# Altium PCB wrist_band_v1.0.PcbDoc (part 1 of 2)
Units mm, origin at the board's own origin, x right, y up, seen from the top; angles counter-clockwise.
Board outline 34.18 x 30.85 mm, 6 copper layers (Top Layer, Layer 1, Layer 3, Layer 4, Layer 2, Bottom Layer), stack 1.546 mm thick; 85 components, 60 nets, 319 pads, 116 vias.
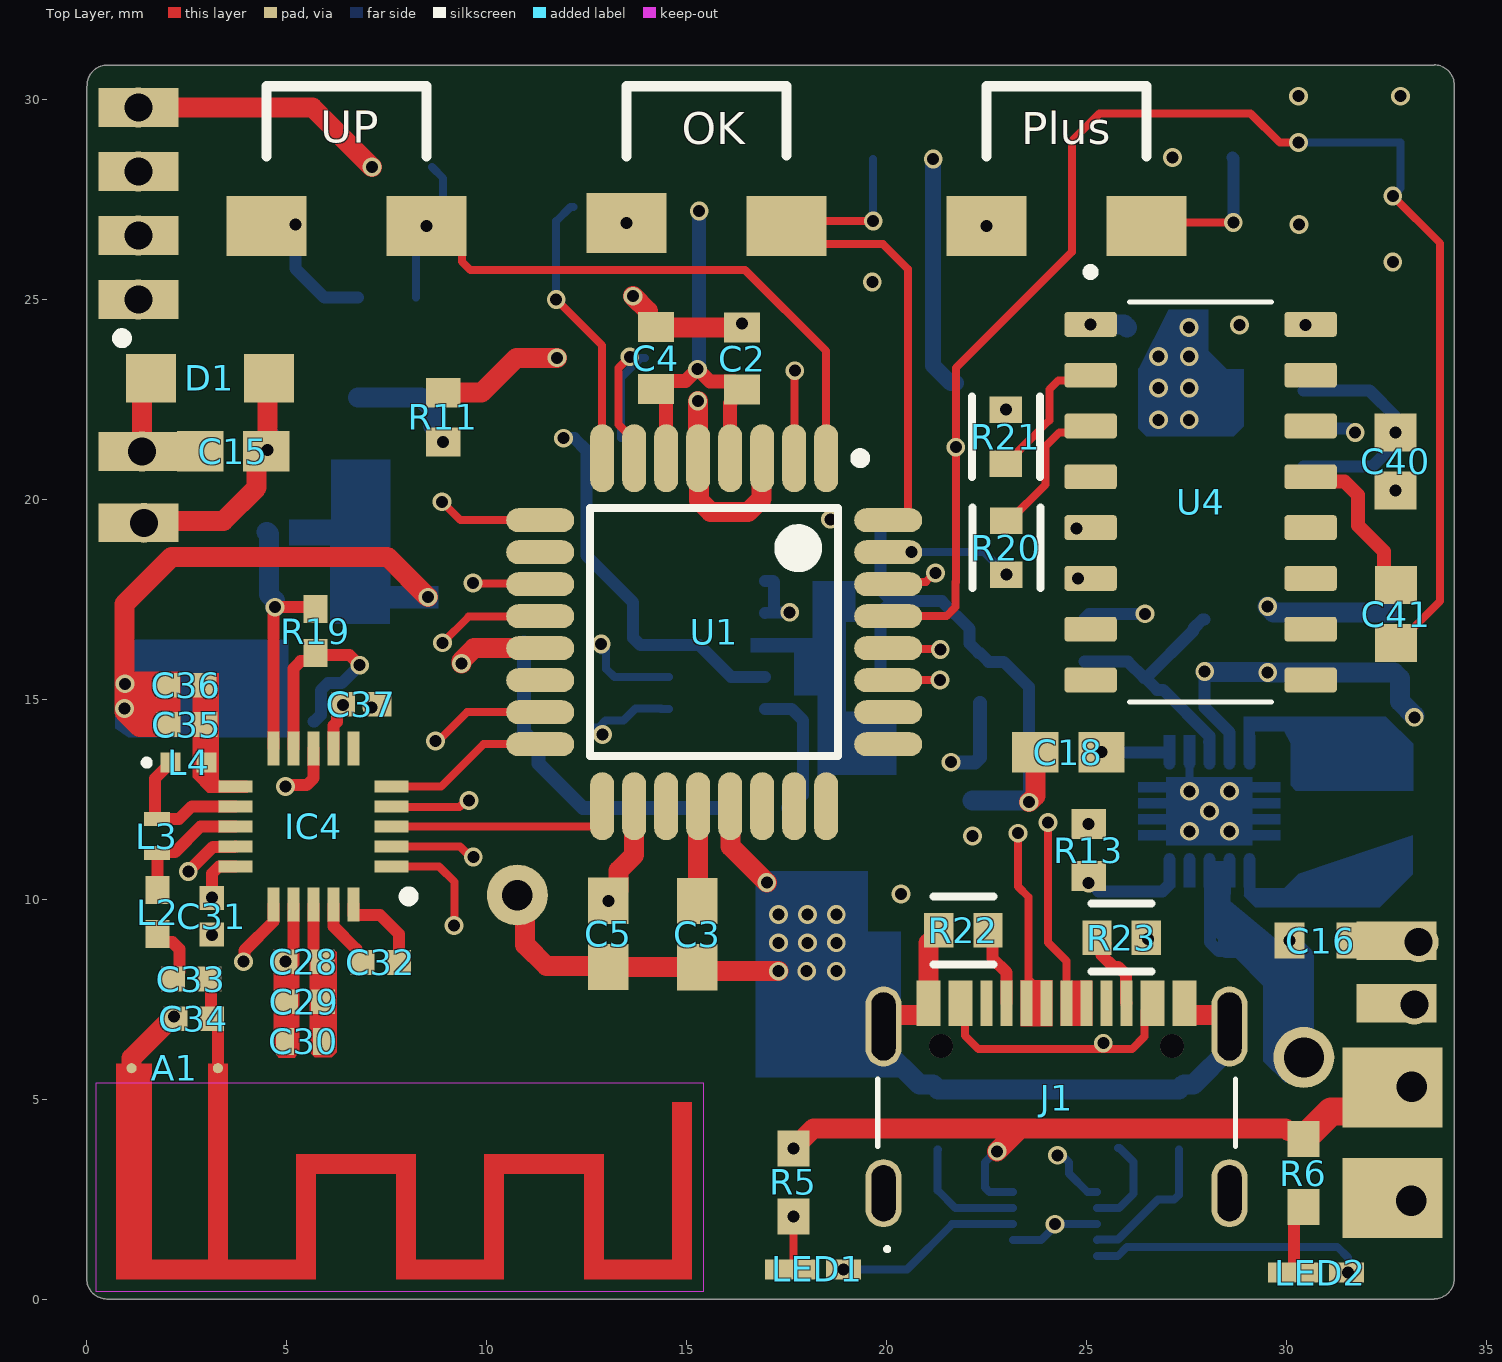
[diagram p0: Top Layer view]
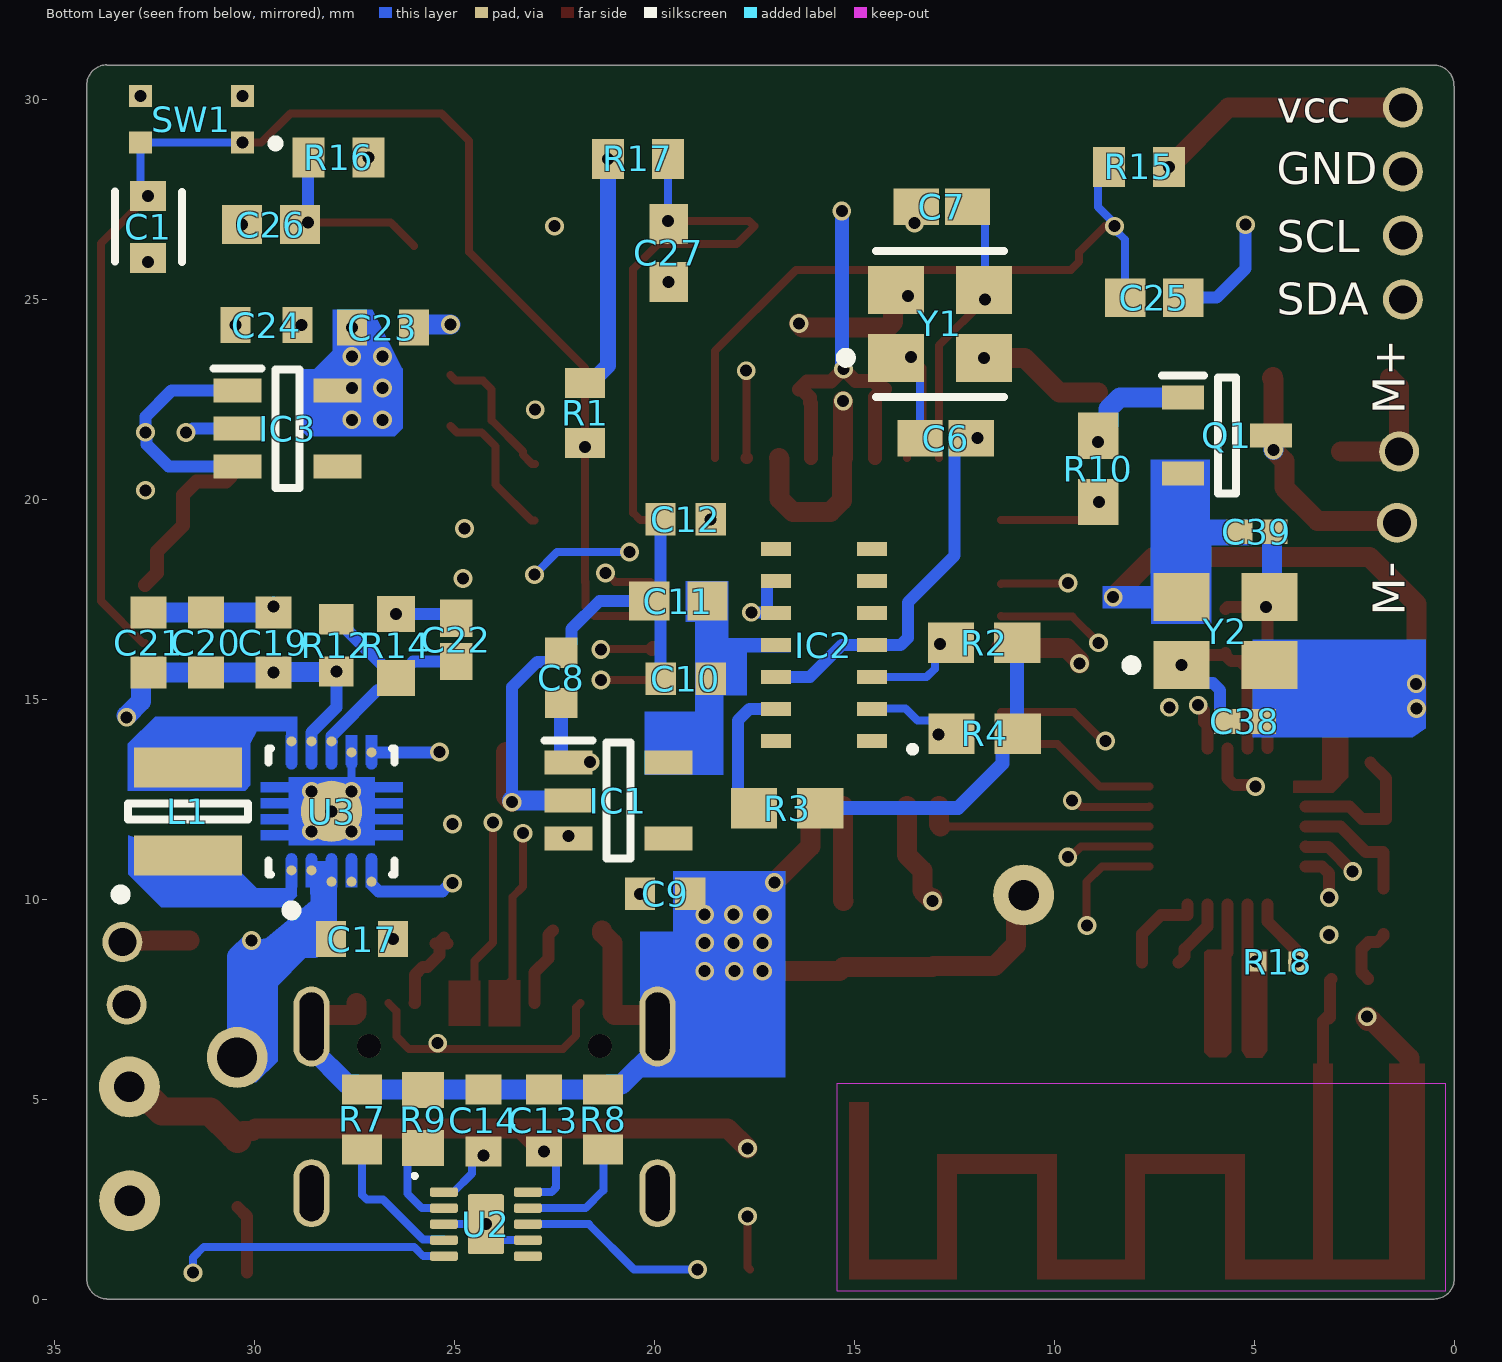
[diagram p1: Bottom Layer view, seen from below]
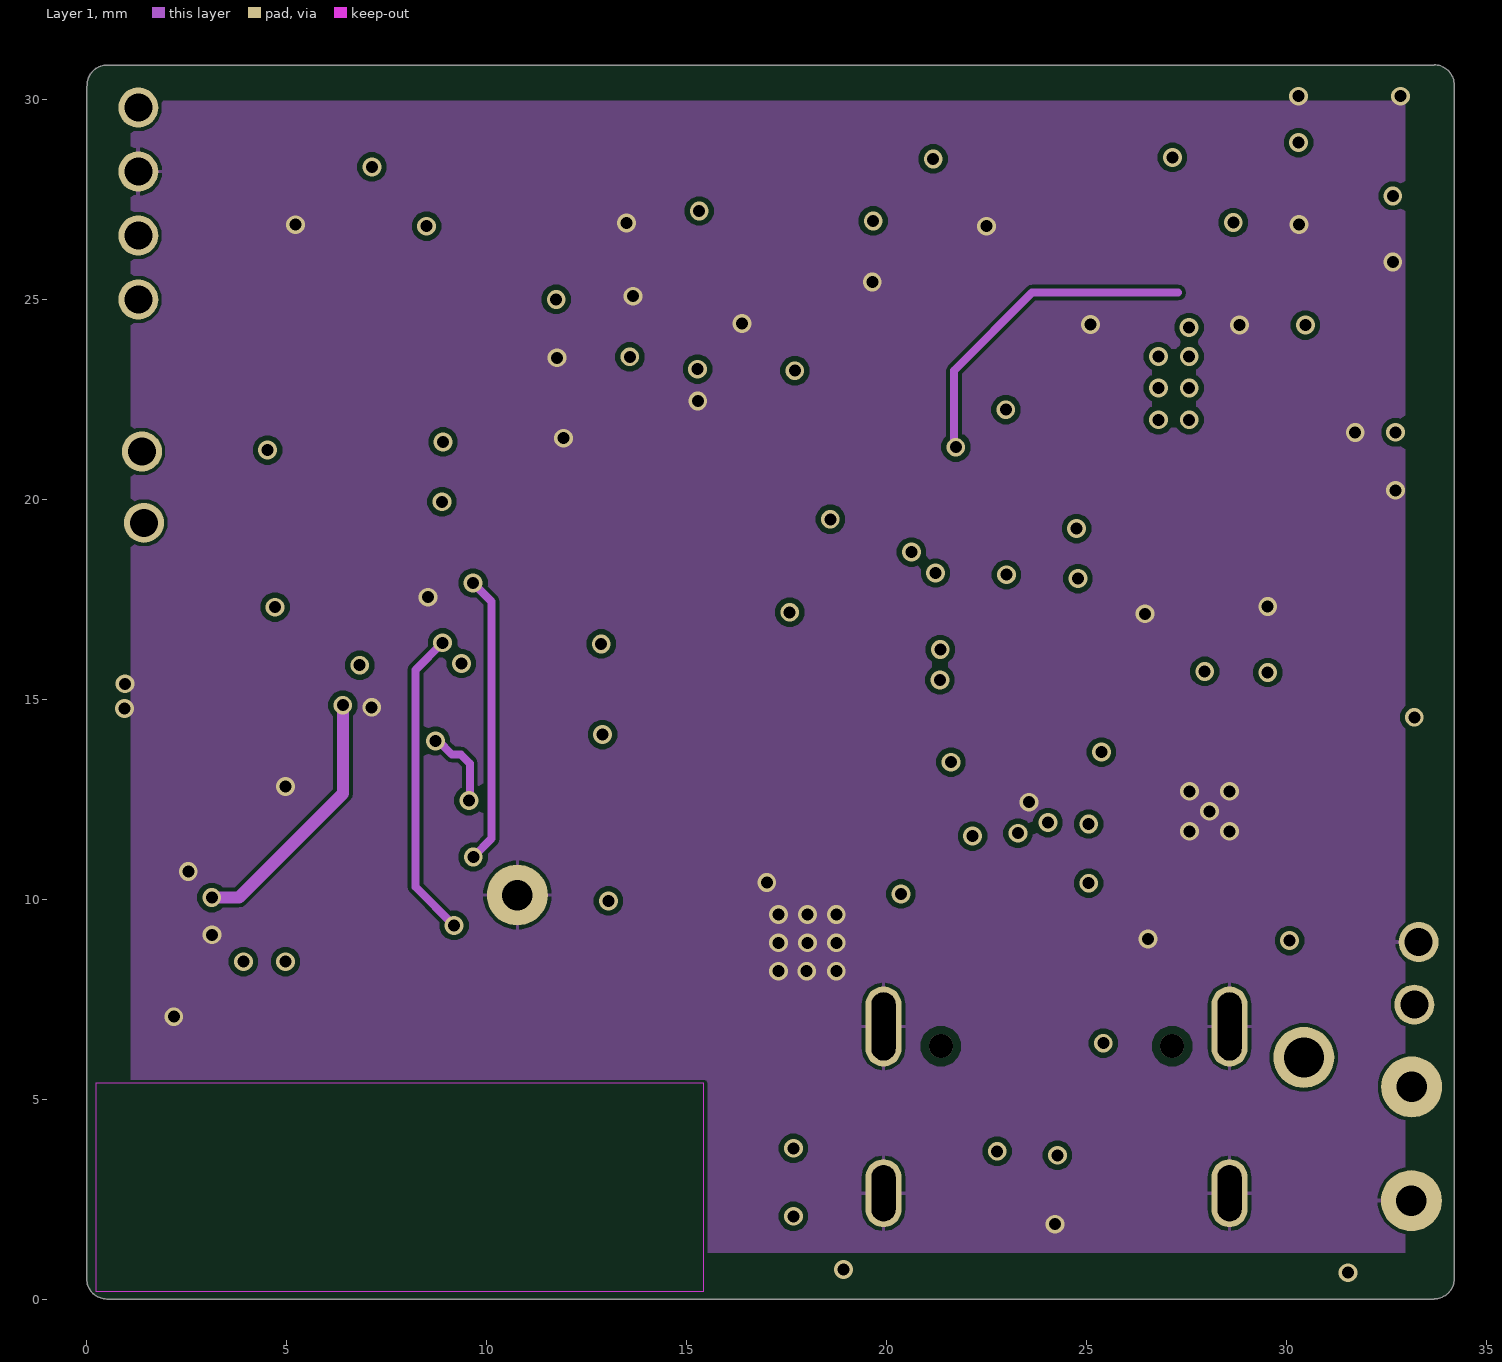
[diagram p2: Layer 1]
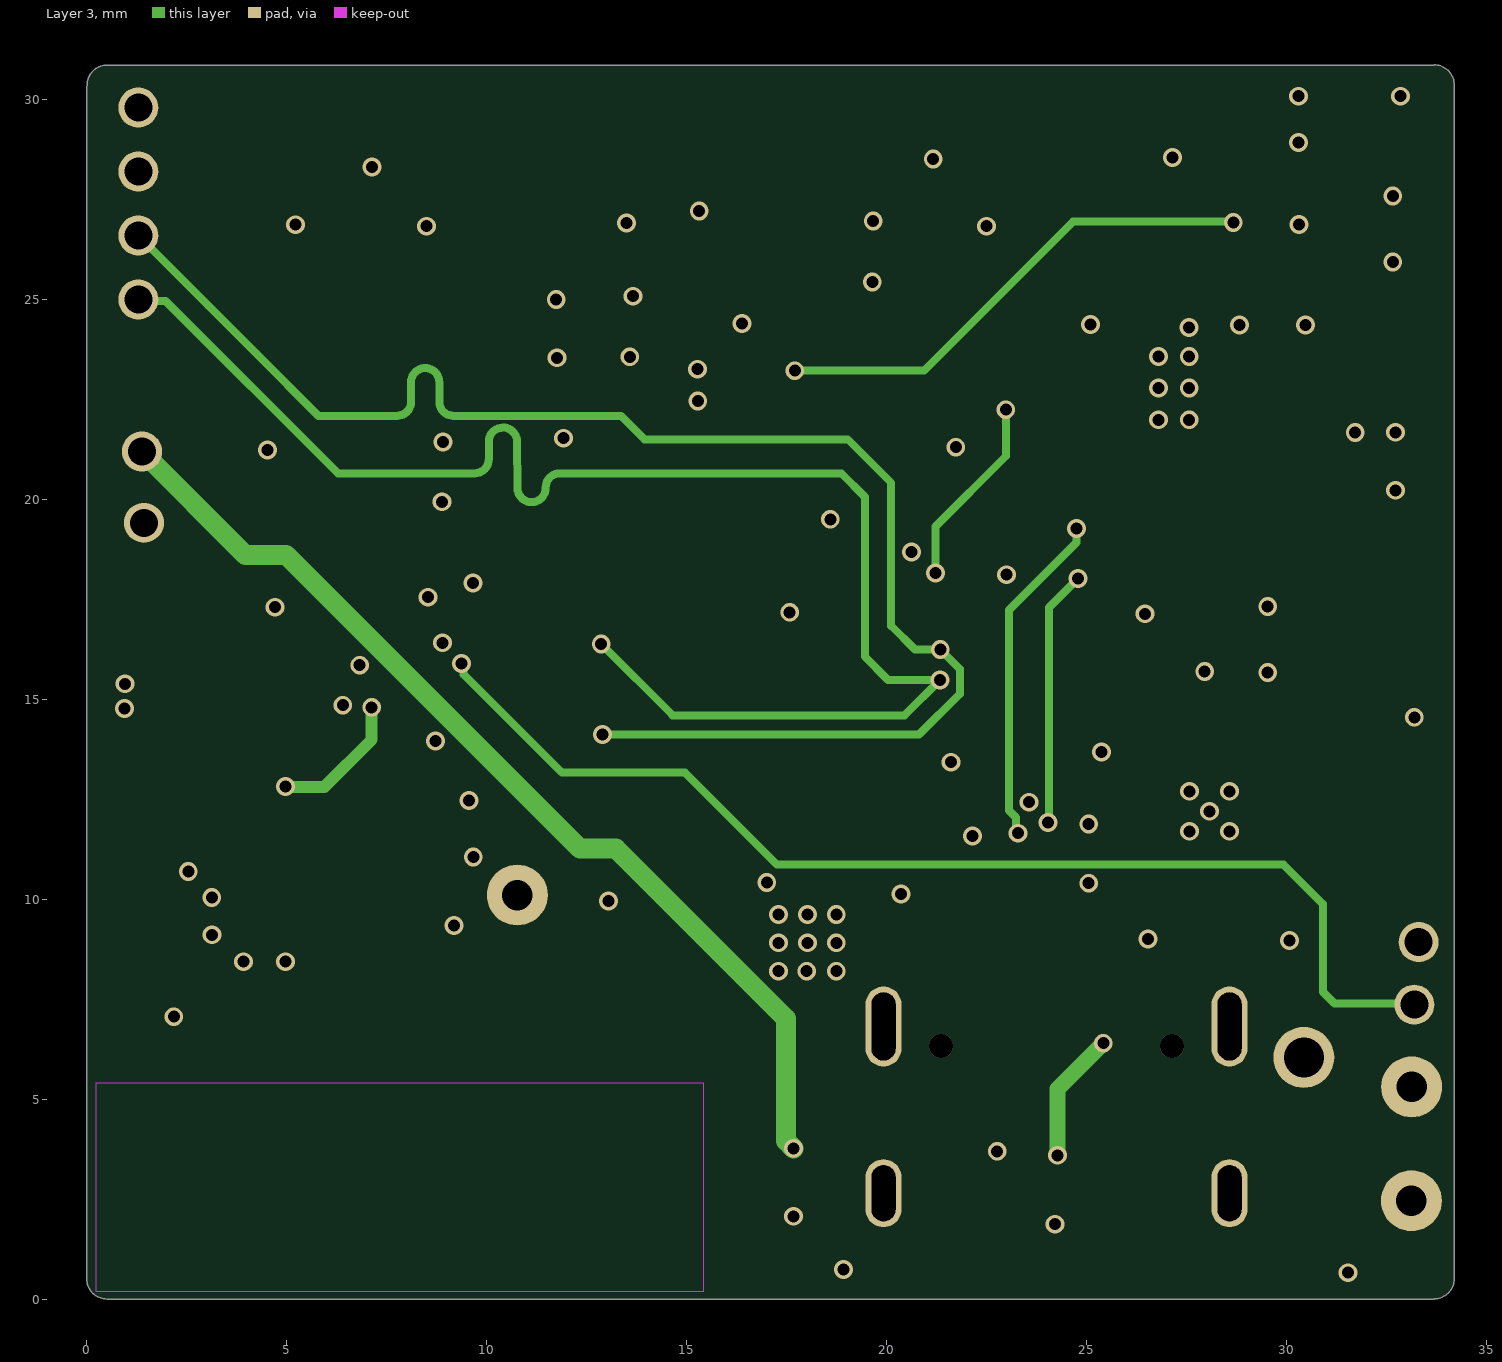
[diagram p3: Layer 3]
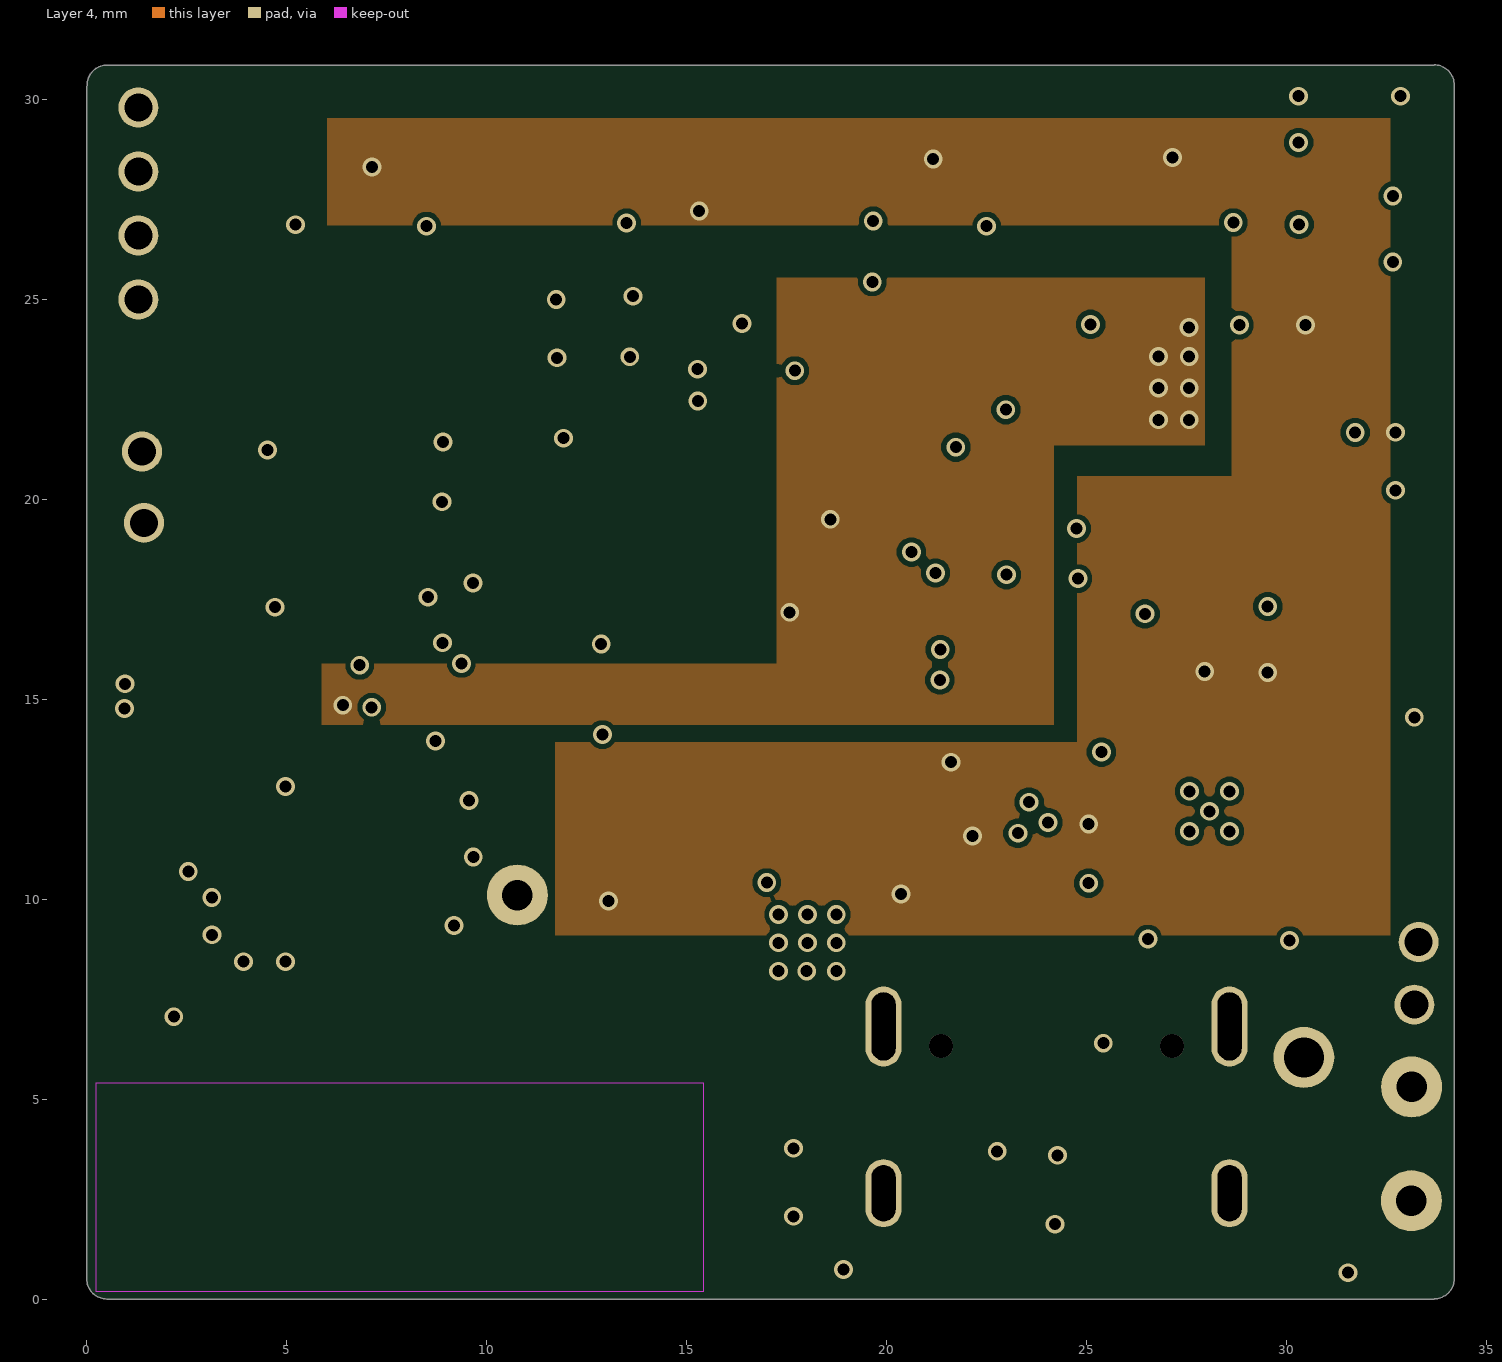
[diagram p4: Layer 4]
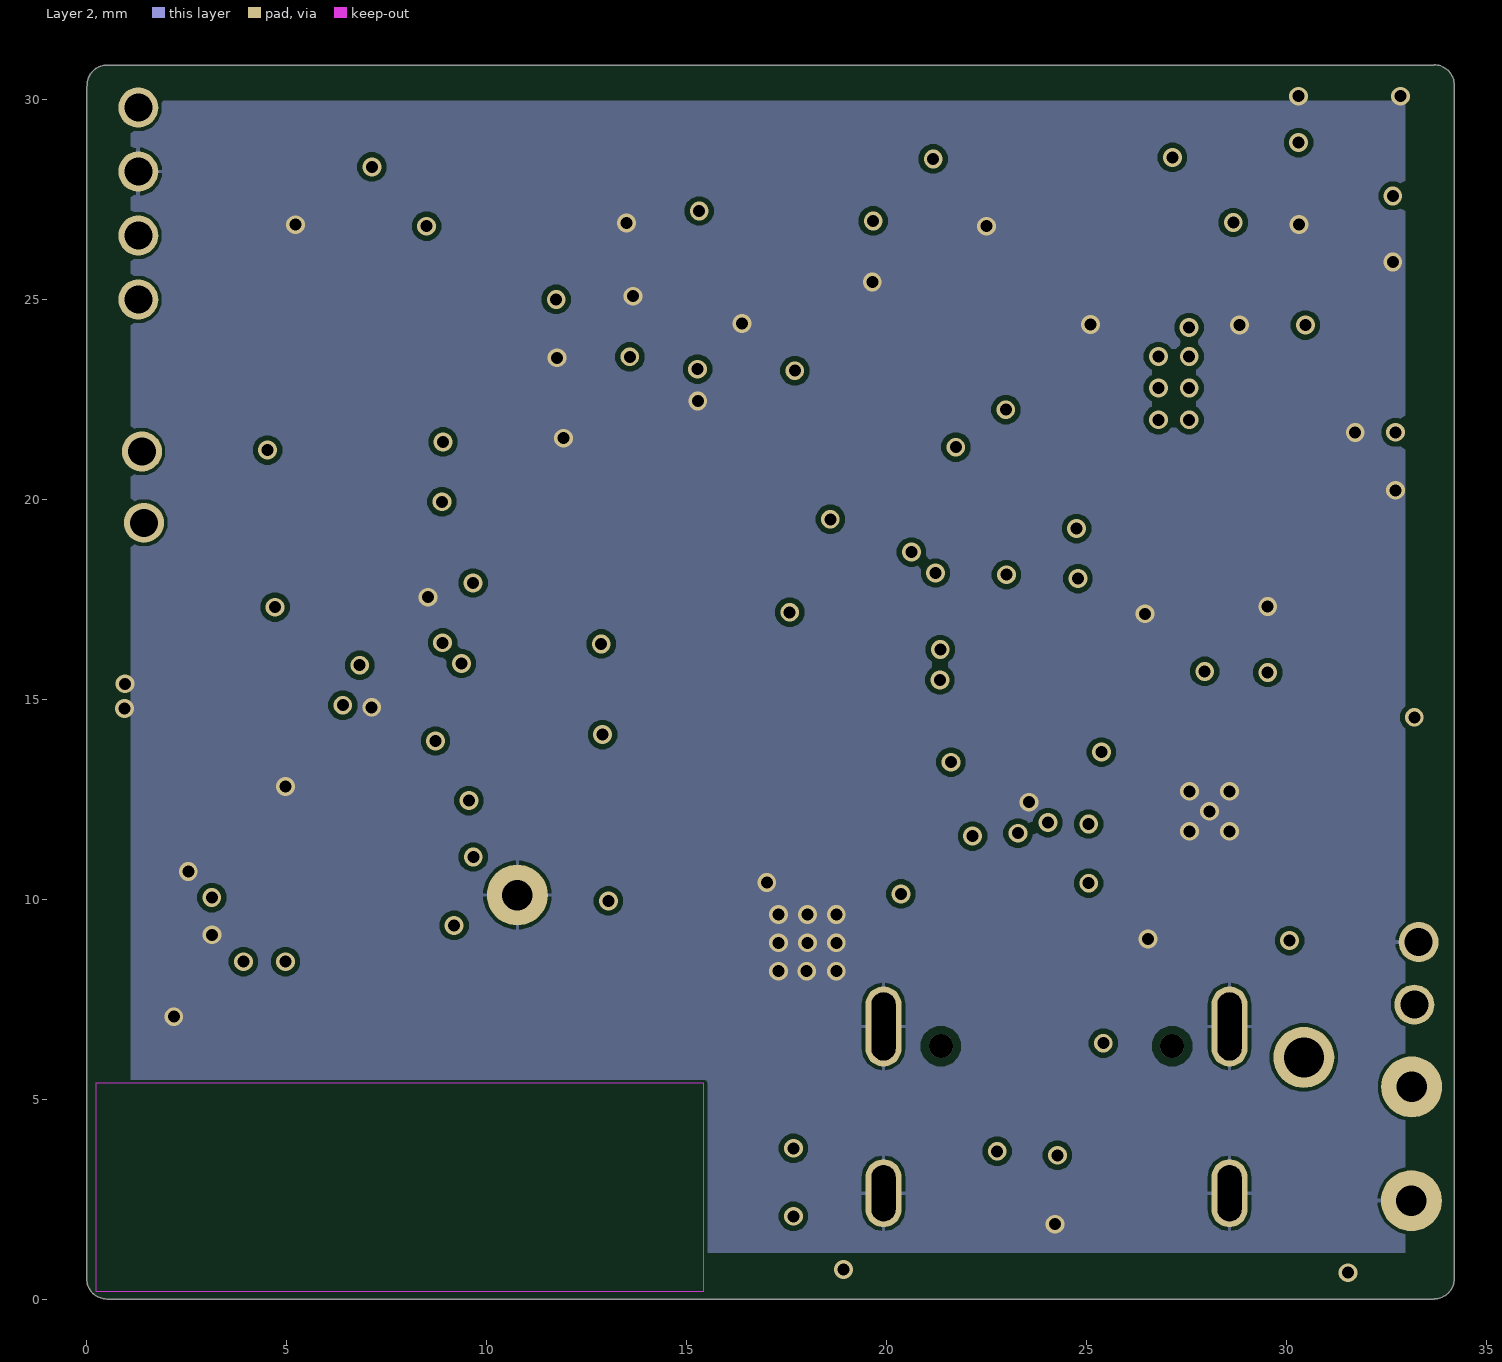
[diagram p5: Layer 2]
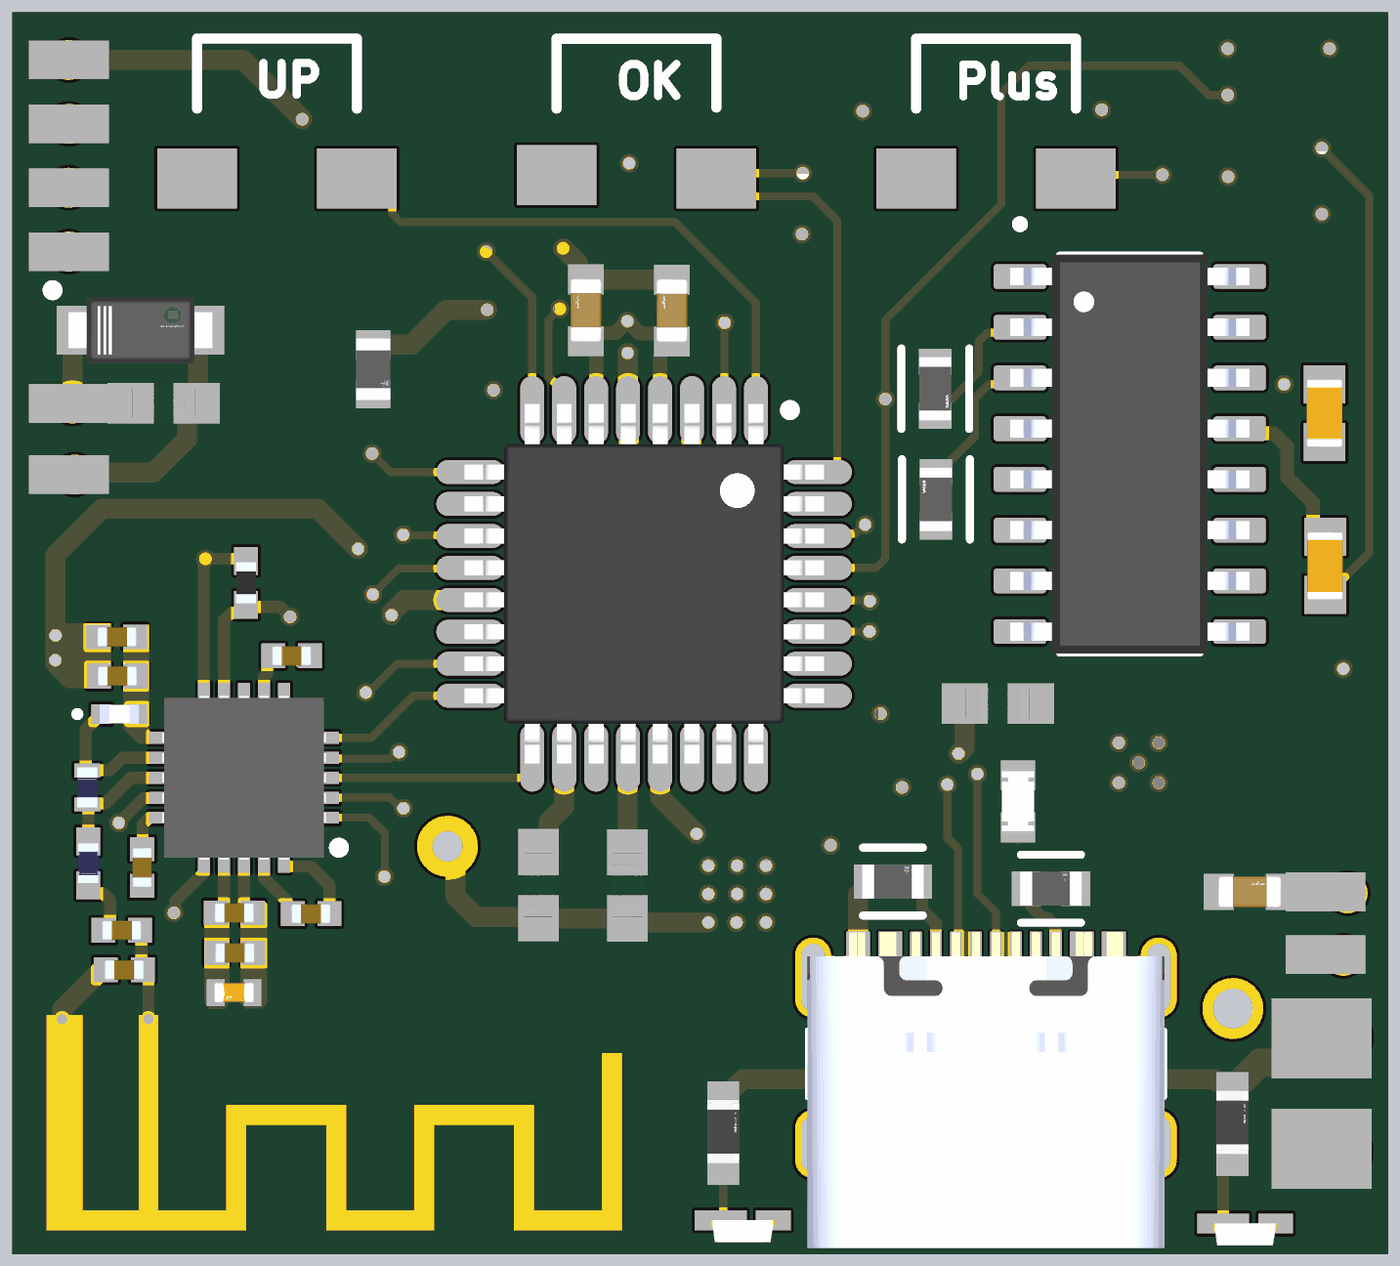
[diagram p7: 3D render of the assembled board from above, using the file's embedded part models]